# Altium PCB PCB5.PcbDoc (part 15 of 16)
Units mil, origin at the board's own origin, x right, y up, seen from the top; angles counter-clockwise.
Board outline 9210.27 x 4350.4 mil, 4 copper layers (Top Layer, Layer 1, Layer 2, Bottom Layer), stack 23.756 mil thick; 1550 components, 1731 nets, 5196 pads, 1890 vias.
Unrouted connection lines stored in the file: 2462.
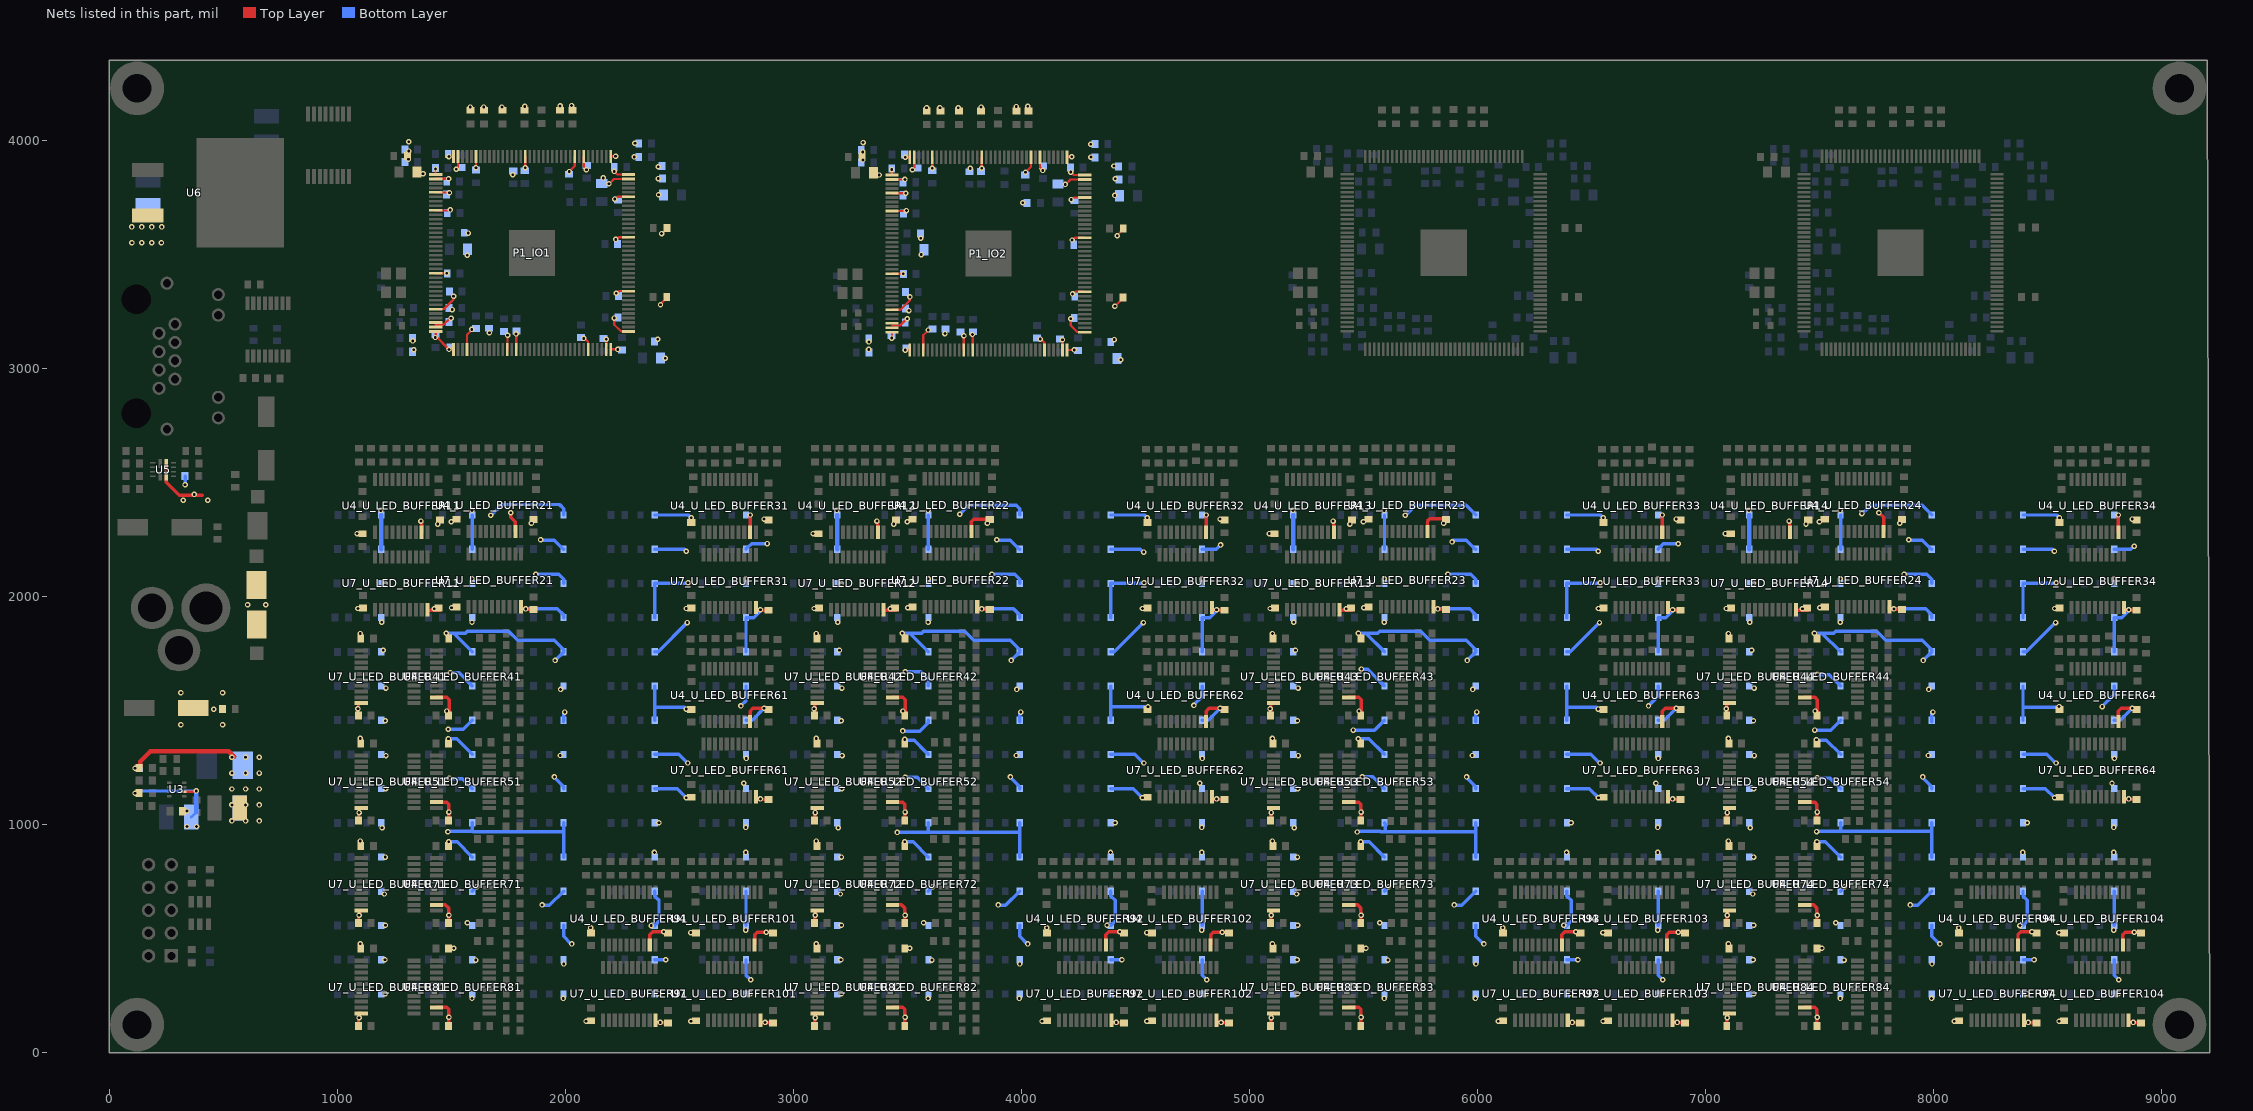
[diagram p17: the nets of this part, all layers, seen from the top]

## Via types
v1: diameter 24, hole 12, Top Layer to Bottom Layer, tented both sides, 1882 vias
v2: diameter 24, hole 12, Top Layer to Bottom Layer, 8 vias

## Nets (pads, with @x,y where several pads share a name; then routed paths per layer and width w, separated by ;. In a path a pad name is that pad's centre, name@x,y a point inside that pad or via, vN(x,y) a via of type N, cw(c..) or ccw(c..) an arc to the next point about the centre after c; other vN are vias at no path point) (continued)
VCC_5V: C25.1 C26.2 C27.2 C28_U_LED_BUFFER11.1 C28_U_LED_BUFFER12.1 C28_U_LED_BUFFER13.1 C28_U_LED_BUFFER14.1 C28_U_LED_BUFFER21.1 C28_U_LED_BUFFER22.1 C28_U_LED_BUFFER23.1 C28_U_LED_BUFFER24.1 C28_U_LED_BUFFER31.1 C28_U_LED_BUFFER32.1 C28_U_LED_BUFFER33.1 C28_U_LED_BUFFER34.1 C28_U_LED_BUFFER41.1 C28_U_LED_BUFFER42.1 C28_U_LED_BUFFER43.1 C28_U_LED_BUFFER44.1 C28_U_LED_BUFFER51.1 C28_U_LED_BUFFER52.1 C28_U_LED_BUFFER53.1 C28_U_LED_BUFFER54.1 C28_U_LED_BUFFER61.1 C28_U_LED_BUFFER62.1 C28_U_LED_BUFFER63.1 C28_U_LED_BUFFER64.1 C28_U_LED_BUFFER71.1 C28_U_LED_BUFFER72.1 C28_U_LED_BUFFER73.1 C28_U_LED_BUFFER74.1 C28_U_LED_BUFFER81.1 C28_U_LED_BUFFER82.1 C28_U_LED_BUFFER83.1 C28_U_LED_BUFFER84.1 C28_U_LED_BUFFER91.1 C28_U_LED_BUFFER92.1 C28_U_LED_BUFFER93.1 C28_U_LED_BUFFER94.1 C28_U_LED_BUFFER101.1 C28_U_LED_BUFFER102.1 C28_U_LED_BUFFER103.1 C28_U_LED_BUFFER104.1 C29.2 C32_U_LED_BUFFER11.1 C32_U_LED_BUFFER12.1 C32_U_LED_BUFFER13.1 C32_U_LED_BUFFER14.1 C32_U_LED_BUFFER21.1 C32_U_LED_BUFFER22.1 C32_U_LED_BUFFER23.1 C32_U_LED_BUFFER24.1 C32_U_LED_BUFFER31.1 C32_U_LED_BUFFER32.1 C32_U_LED_BUFFER33.1 C32_U_LED_BUFFER34.1 C32_U_LED_BUFFER41.1 C32_U_LED_BUFFER42.1 C32_U_LED_BUFFER43.1 C32_U_LED_BUFFER44.1 C32_U_LED_BUFFER51.1 C32_U_LED_BUFFER52.1 C32_U_LED_BUFFER53.1 C32_U_LED_BUFFER54.1 C32_U_LED_BUFFER61.1 C32_U_LED_BUFFER62.1 C32_U_LED_BUFFER63.1 C32_U_LED_BUFFER64.1 C32_U_LED_BUFFER71.1 C32_U_LED_BUFFER72.1 C32_U_LED_BUFFER73.1 C32_U_LED_BUFFER74.1 C32_U_LED_BUFFER81.1 C32_U_LED_BUFFER82.1 C32_U_LED_BUFFER83.1 C32_U_LED_BUFFER84.1 C32_U_LED_BUFFER91.1 C32_U_LED_BUFFER92.1 C32_U_LED_BUFFER93.1 C32_U_LED_BUFFER94.1 C32_U_LED_BUFFER101.1 C32_U_LED_BUFFER102.1 C32_U_LED_BUFFER103.1 C32_U_LED_BUFFER104.1 C34_U_LED_BUFFER11.1 C34_U_LED_BUFFER12.1 C34_U_LED_BUFFER13.1 C34_U_LED_BUFFER14.1 C34_U_LED_BUFFER21.1 C34_U_LED_BUFFER22.1 C34_U_LED_BUFFER23.1 C34_U_LED_BUFFER24.1 C34_U_LED_BUFFER31.1 C34_U_LED_BUFFER32.1 C34_U_LED_BUFFER33.1 C34_U_LED_BUFFER34.1 C34_U_LED_BUFFER41.1 C34_U_LED_BUFFER42.1 C34_U_LED_BUFFER43.1 C34_U_LED_BUFFER44.1 C34_U_LED_BUFFER51.1 C34_U_LED_BUFFER52.1 C34_U_LED_BUFFER53.1 C34_U_LED_BUFFER54.1 C34_U_LED_BUFFER61.1 C34_U_LED_BUFFER62.1 C34_U_LED_BUFFER63.1 C34_U_LED_BUFFER64.1 C34_U_LED_BUFFER71.1 C34_U_LED_BUFFER72.1 C34_U_LED_BUFFER73.1 C34_U_LED_BUFFER74.1 C34_U_LED_BUFFER81.1 C34_U_LED_BUFFER82.1 C34_U_LED_BUFFER83.1 C34_U_LED_BUFFER84.1 C34_U_LED_BUFFER91.1 C34_U_LED_BUFFER92.1 C34_U_LED_BUFFER93.1 C34_U_LED_BUFFER94.1 C34_U_LED_BUFFER101.1 C34_U_LED_BUFFER102.1 C34_U_LED_BUFFER103.1 C34_U_LED_BUFFER104.1 C35_U_LED_BUFFER11.1 C35_U_LED_BUFFER12.1 C35_U_LED_BUFFER13.1 C35_U_LED_BUFFER14.1 C35_U_LED_BUFFER21.1 C35_U_LED_BUFFER22.1 C35_U_LED_BUFFER23.1 C35_U_LED_BUFFER24.1 C35_U_LED_BUFFER31.1 C35_U_LED_BUFFER32.1 C35_U_LED_BUFFER33.1 C35_U_LED_BUFFER34.1 C35_U_LED_BUFFER41.1 C35_U_LED_BUFFER42.1 C35_U_LED_BUFFER43.1 C35_U_LED_BUFFER44.1 C35_U_LED_BUFFER51.1 C35_U_LED_BUFFER52.1 C35_U_LED_BUFFER53.1 C35_U_LED_BUFFER54.1 C35_U_LED_BUFFER61.1 C35_U_LED_BUFFER62.1 C35_U_LED_BUFFER63.1 C35_U_LED_BUFFER64.1 C35_U_LED_BUFFER71.1 C35_U_LED_BUFFER72.1 C35_U_LED_BUFFER73.1 C35_U_LED_BUFFER74.1 C35_U_LED_BUFFER81.1 C35_U_LED_BUFFER82.1 C35_U_LED_BUFFER83.1 C35_U_LED_BUFFER84.1 C35_U_LED_BUFFER91.1 C35_U_LED_BUFFER92.1 C35_U_LED_BUFFER93.1 C35_U_LED_BUFFER94.1 C35_U_LED_BUFFER101.1 C35_U_LED_BUFFER102.1 C35_U_LED_BUFFER103.1 C35_U_LED_BUFFER104.1 D7_U_LED_BUFFER11.1 D7_U_LED_BUFFER12.1 D7_U_LED_BUFFER13.1 D7_U_LED_BUFFER14.1 D7_U_LED_BUFFER21.1 D7_U_LED_BUFFER22.1 D7_U_LED_BUFFER23.1 D7_U_LED_BUFFER24.1 D7_U_LED_BUFFER31.1 D7_U_LED_BUFFER32.1 D7_U_LED_BUFFER33.1 D7_U_LED_BUFFER34.1 D7_U_LED_BUFFER41.1 D7_U_LED_BUFFER42.1 D7_U_LED_BUFFER43.1 D7_U_LED_BUFFER44.1 D7_U_LED_BUFFER51.1 D7_U_LED_BUFFER52.1 D7_U_LED_BUFFER53.1 D7_U_LED_BUFFER54.1 D7_U_LED_BUFFER61.1 D7_U_LED_BUFFER62.1 D7_U_LED_BUFFER63.1 D7_U_LED_BUFFER64.1 D7_U_LED_BUFFER71.1 D7_U_LED_BUFFER72.1 D7_U_LED_BUFFER73.1 D7_U_LED_BUFFER74.1 D7_U_LED_BUFFER81.1 D7_U_LED_BUFFER82.1 D7_U_LED_BUFFER83.1 D7_U_LED_BUFFER84.1 D7_U_LED_BUFFER91.1 D7_U_LED_BUFFER92.1 D7_U_LED_BUFFER93.1 D7_U_LED_BUFFER94.1 D7_U_LED_BUFFER101.1 D7_U_LED_BUFFER102.1 D7_U_LED_BUFFER103.1 D7_U_LED_BUFFER104.1 D8_U_LED_BUFFER11.1 D8_U_LED_BUFFER12.1 D8_U_LED_BUFFER13.1 D8_U_LED_BUFFER14.1 D8_U_LED_BUFFER21.1 D8_U_LED_BUFFER22.1 D8_U_LED_BUFFER23.1 D8_U_LED_BUFFER24.1 D8_U_LED_BUFFER31.1 D8_U_LED_BUFFER32.1 D8_U_LED_BUFFER33.1 D8_U_LED_BUFFER34.1 D8_U_LED_BUFFER41.1 D8_U_LED_BUFFER42.1 D8_U_LED_BUFFER43.1 D8_U_LED_BUFFER44.1 D8_U_LED_BUFFER51.1 D8_U_LED_BUFFER52.1 D8_U_LED_BUFFER53.1 D8_U_LED_BUFFER54.1 D8_U_LED_BUFFER61.1 D8_U_LED_BUFFER62.1 D8_U_LED_BUFFER63.1 D8_U_LED_BUFFER64.1 D8_U_LED_BUFFER71.1 D8_U_LED_BUFFER72.1 D8_U_LED_BUFFER73.1 D8_U_LED_BUFFER74.1 D8_U_LED_BUFFER81.1 D8_U_LED_BUFFER82.1 D8_U_LED_BUFFER83.1 D8_U_LED_BUFFER84.1 D8_U_LED_BUFFER91.1 D8_U_LED_BUFFER92.1 D8_U_LED_BUFFER93.1 D8_U_LED_BUFFER94.1 D8_U_LED_BUFFER101.1 D8_U_LED_BUFFER102.1 D8_U_LED_BUFFER103.1 D8_U_LED_BUFFER104.1 D9_U_LED_BUFFER11.1 D9_U_LED_BUFFER12.1 D9_U_LED_BUFFER13.1 D9_U_LED_BUFFER14.1 D9_U_LED_BUFFER21.1 D9_U_LED_BUFFER22.1 D9_U_LED_BUFFER23.1 D9_U_LED_BUFFER24.1 D9_U_LED_BUFFER31.1 D9_U_LED_BUFFER32.1 D9_U_LED_BUFFER33.1 D9_U_LED_BUFFER34.1 D9_U_LED_BUFFER41.1 D9_U_LED_BUFFER42.1 D9_U_LED_BUFFER43.1 D9_U_LED_BUFFER44.1 D9_U_LED_BUFFER51.1 D9_U_LED_BUFFER52.1 D9_U_LED_BUFFER53.1 D9_U_LED_BUFFER54.1 D9_U_LED_BUFFER61.1 D9_U_LED_BUFFER62.1 D9_U_LED_BUFFER63.1 D9_U_LED_BUFFER64.1 D9_U_LED_BUFFER71.1 D9_U_LED_BUFFER72.1 D9_U_LED_BUFFER73.1 D9_U_LED_BUFFER74.1 D9_U_LED_BUFFER81.1 D9_U_LED_BUFFER82.1 D9_U_LED_BUFFER83.1 D9_U_LED_BUFFER84.1 D9_U_LED_BUFFER91.1 D9_U_LED_BUFFER92.1 D9_U_LED_BUFFER93.1 D9_U_LED_BUFFER94.1 D9_U_LED_BUFFER101.1 D9_U_LED_BUFFER102.1 D9_U_LED_BUFFER103.1 D9_U_LED_BUFFER104.1 D10_U_LED_BUFFER11.1 D10_U_LED_BUFFER12.1 D10_U_LED_BUFFER13.1 D10_U_LED_BUFFER14.1 D10_U_LED_BUFFER21.1 D10_U_LED_BUFFER22.1 D10_U_LED_BUFFER23.1 D10_U_LED_BUFFER24.1 D10_U_LED_BUFFER31.1 D10_U_LED_BUFFER32.1 D10_U_LED_BUFFER33.1 D10_U_LED_BUFFER34.1 D10_U_LED_BUFFER41.1 D10_U_LED_BUFFER42.1 D10_U_LED_BUFFER43.1 D10_U_LED_BUFFER44.1 D10_U_LED_BUFFER51.1 D10_U_LED_BUFFER52.1 D10_U_LED_BUFFER53.1 D10_U_LED_BUFFER54.1 D10_U_LED_BUFFER61.1 D10_U_LED_BUFFER62.1 D10_U_LED_BUFFER63.1 D10_U_LED_BUFFER64.1 D10_U_LED_BUFFER71.1 D10_U_LED_BUFFER72.1 D10_U_LED_BUFFER73.1 D10_U_LED_BUFFER74.1 D10_U_LED_BUFFER81.1 D10_U_LED_BUFFER82.1 D10_U_LED_BUFFER83.1 D10_U_LED_BUFFER84.1 D10_U_LED_BUFFER91.1 D10_U_LED_BUFFER92.1 D10_U_LED_BUFFER93.1 D10_U_LED_BUFFER94.1 D11_U_LED_BUFFER11.1 D11_U_LED_BUFFER12.1 D11_U_LED_BUFFER13.1 D11_U_LED_BUFFER14.1 D11_U_LED_BUFFER21.1 D11_U_LED_BUFFER22.1 D11_U_LED_BUFFER23.1 D11_U_LED_BUFFER24.1 D11_U_LED_BUFFER31.1 D11_U_LED_BUFFER32.1 D11_U_LED_BUFFER33.1 D11_U_LED_BUFFER34.1 D11_U_LED_BUFFER41.1 D11_U_LED_BUFFER42.1 D11_U_LED_BUFFER43.1 D11_U_LED_BUFFER44.1 D11_U_LED_BUFFER51.1 D11_U_LED_BUFFER52.1 D11_U_LED_BUFFER53.1 D11_U_LED_BUFFER54.1 D11_U_LED_BUFFER61.1 D11_U_LED_BUFFER62.1 D11_U_LED_BUFFER63.1 D11_U_LED_BUFFER64.1 D11_U_LED_BUFFER71.1 D11_U_LED_BUFFER72.1 D11_U_LED_BUFFER73.1 D11_U_LED_BUFFER74.1 D11_U_LED_BUFFER81.1 D11_U_LED_BUFFER82.1 D11_U_LED_BUFFER83.1 D11_U_LED_BUFFER84.1 D11_U_LED_BUFFER91.1 D11_U_LED_BUFFER92.1 D11_U_LED_BUFFER93.1 D11_U_LED_BUFFER94.1 D12_U_LED_BUFFER11.1 D12_U_LED_BUFFER12.1 D12_U_LED_BUFFER13.1 D12_U_LED_BUFFER14.1 D12_U_LED_BUFFER21.1 D12_U_LED_BUFFER22.1 D12_U_LED_BUFFER23.1 D12_U_LED_BUFFER24.1 D12_U_LED_BUFFER31.1 D12_U_LED_BUFFER32.1 D12_U_LED_BUFFER33.1 D12_U_LED_BUFFER34.1 D12_U_LED_BUFFER41.1 D12_U_LED_BUFFER42.1 D12_U_LED_BUFFER43.1 D12_U_LED_BUFFER44.1 D12_U_LED_BUFFER51.1 D12_U_LED_BUFFER52.1 D12_U_LED_BUFFER53.1 D12_U_LED_BUFFER54.1 D12_U_LED_BUFFER61.1 D12_U_LED_BUFFER62.1 D12_U_LED_BUFFER63.1 D12_U_LED_BUFFER64.1 D12_U_LED_BUFFER71.1 D12_U_LED_BUFFER72.1 D12_U_LED_BUFFER73.1 D12_U_LED_BUFFER74.1 D12_U_LED_BUFFER81.1 D12_U_LED_BUFFER82.1 D12_U_LED_BUFFER83.1 D12_U_LED_BUFFER84.1 D12_U_LED_BUFFER91.1 D12_U_LED_BUFFER92.1 D12_U_LED_BUFFER93.1 D12_U_LED_BUFFER94.1 D13_U_LED_BUFFER11.1 D13_U_LED_BUFFER12.1 D13_U_LED_BUFFER13.1 D13_U_LED_BUFFER14.1 D13_U_LED_BUFFER21.1 D13_U_LED_BUFFER22.1 D13_U_LED_BUFFER23.1 D13_U_LED_BUFFER24.1 D13_U_LED_BUFFER31.1 D13_U_LED_BUFFER32.1 D13_U_LED_BUFFER33.1 D13_U_LED_BUFFER34.1 D13_U_LED_BUFFER41.1 D13_U_LED_BUFFER42.1 D13_U_LED_BUFFER43.1 D13_U_LED_BUFFER44.1 D13_U_LED_BUFFER51.1 D13_U_LED_BUFFER52.1 D13_U_LED_BUFFER53.1 D13_U_LED_BUFFER54.1 D13_U_LED_BUFFER61.1 D13_U_LED_BUFFER62.1 D13_U_LED_BUFFER63.1 D13_U_LED_BUFFER64.1 D13_U_LED_BUFFER71.1 D13_U_LED_BUFFER72.1 D13_U_LED_BUFFER73.1 D13_U_LED_BUFFER74.1 D13_U_LED_BUFFER81.1 D13_U_LED_BUFFER82.1 D13_U_LED_BUFFER83.1 D13_U_LED_BUFFER84.1 D13_U_LED_BUFFER91.1 D13_U_LED_BUFFER92.1 D13_U_LED_BUFFER93.1 D13_U_LED_BUFFER94.1 D14_U_LED_BUFFER11.1 D14_U_LED_BUFFER12.1 D14_U_LED_BUFFER13.1 D14_U_LED_BUFFER14.1 D14_U_LED_BUFFER21.1 D14_U_LED_BUFFER22.1 D14_U_LED_BUFFER23.1 D14_U_LED_BUFFER24.1 D14_U_LED_BUFFER31.1 D14_U_LED_BUFFER32.1 D14_U_LED_BUFFER33.1 D14_U_LED_BUFFER34.1 D14_U_LED_BUFFER41.1 D14_U_LED_BUFFER42.1 D14_U_LED_BUFFER43.1 D14_U_LED_BUFFER44.1 D14_U_LED_BUFFER51.1 D14_U_LED_BUFFER52.1 D14_U_LED_BUFFER53.1 D14_U_LED_BUFFER54.1 D14_U_LED_BUFFER61.1 D14_U_LED_BUFFER62.1 D14_U_LED_BUFFER63.1 D14_U_LED_BUFFER64.1 D14_U_LED_BUFFER71.1 D14_U_LED_BUFFER72.1 D14_U_LED_BUFFER73.1 D14_U_LED_BUFFER74.1 D14_U_LED_BUFFER81.1 D14_U_LED_BUFFER82.1 D14_U_LED_BUFFER83.1 D14_U_LED_BUFFER84.1 D14_U_LED_BUFFER91.1 D14_U_LED_BUFFER92.1 D14_U_LED_BUFFER93.1 D14_U_LED_BUFFER94.1 L4.2 R18.2 U4_U_LED_BUFFER11.19 U4_U_LED_BUFFER12.19 U4_U_LED_BUFFER13.19 U4_U_LED_BUFFER14.19 U4_U_LED_BUFFER21.19 U4_U_LED_BUFFER22.19 U4_U_LED_BUFFER23.19 U4_U_LED_BUFFER24.19 U4_U_LED_BUFFER31.19 U4_U_LED_BUFFER32.19 U4_U_LED_BUFFER33.19 U4_U_LED_BUFFER34.19 U4_U_LED_BUFFER41.19 U4_U_LED_BUFFER42.19 U4_U_LED_BUFFER43.19 U4_U_LED_BUFFER44.19 U4_U_LED_BUFFER51.19 U4_U_LED_BUFFER52.19 U4_U_LED_BUFFER53.19 U4_U_LED_BUFFER54.19 U4_U_LED_BUFFER61.19 U4_U_LED_BUFFER62.19 U4_U_LED_BUFFER63.19 U4_U_LED_BUFFER64.19 U4_U_LED_BUFFER71.19 U4_U_LED_BUFFER72.19 U4_U_LED_BUFFER73.19 U4_U_LED_BUFFER74.19 U4_U_LED_BUFFER81.19 U4_U_LED_BUFFER82.19 U4_U_LED_BUFFER83.19 U4_U_LED_BUFFER84.19 U4_U_LED_BUFFER91.19 U4_U_LED_BUFFER92.19 U4_U_LED_BUFFER93.19 U4_U_LED_BUFFER94.19 U4_U_LED_BUFFER101.19 U4_U_LED_BUFFER102.19 U4_U_LED_BUFFER103.19 U4_U_LED_BUFFER104.19 U6.3 U7_U_LED_BUFFER11.20 U7_U_LED_BUFFER12.20 U7_U_LED_BUFFER13.20 U7_U_LED_BUFFER14.20 U7_U_LED_BUFFER21.20 U7_U_LED_BUFFER22.20 U7_U_LED_BUFFER23.20 U7_U_LED_BUFFER24.20 U7_U_LED_BUFFER31.20 U7_U_LED_BUFFER32.20 U7_U_LED_BUFFER33.20 U7_U_LED_BUFFER34.20 U7_U_LED_BUFFER41.20 U7_U_LED_BUFFER42.20 U7_U_LED_BUFFER43.20 U7_U_LED_BUFFER44.20 U7_U_LED_BUFFER51.20 U7_U_LED_BUFFER52.20 U7_U_LED_BUFFER53.20 U7_U_LED_BUFFER54.20 U7_U_LED_BUFFER61.20 U7_U_LED_BUFFER62.20 U7_U_LED_BUFFER63.20 U7_U_LED_BUFFER64.20 U7_U_LED_BUFFER71.20 U7_U_LED_BUFFER72.20 U7_U_LED_BUFFER73.20 U7_U_LED_BUFFER74.20 U7_U_LED_BUFFER81.20 U7_U_LED_BUFFER82.20 U7_U_LED_BUFFER83.20 U7_U_LED_BUFFER84.20 U7_U_LED_BUFFER91.20 U7_U_LED_BUFFER92.20 U7_U_LED_BUFFER93.20 U7_U_LED_BUFFER94.20 U7_U_LED_BUFFER101.20 U7_U_LED_BUFFER102.20 U7_U_LED_BUFFER103.20 U7_U_LED_BUFFER104.20 | length 31677
  Top Layer w15: C28_U_LED_BUFFER81.1@1093.07,117.16 1093.07,172.01 U7_U_LED_BUFFER81.20@1104.96,172.01 ; C28_U_LED_BUFFER71.1@1093.07,567.16 1093.07,622.01 U7_U_LED_BUFFER71.20@1104.96,622.01 ; C28_U_LED_BUFFER51.1@1093.07,1017.16 1093.07,1072.01 U7_U_LED_BUFFER51.20@1104.96,1072.01 ; C28_U_LED_BUFFER41.1@1093.07,1477.16 1093.07,1532.01 U7_U_LED_BUFFER41.20@1104.96,1532.01 ; U4_U_LED_BUFFER11.19@1370.2,2281.5 1370.2,2326.73 v1@1370.63,2327.16 ; U7_U_LED_BUFFER11.20@1395.79,1951.5 1395.79,1939.61 C28_U_LED_BUFFER11.1@1450.63,1939.61 ; U4_U_LED_BUFFER81.19@1434.96,197.6 1479.4,197.6 1488.19,188.81 C34_U_LED_BUFFER81.1@1488.19,117.16 ; U4_U_LED_BUFFER71.19@1434.96,647.6 1474.2,647.6 1488.19,633.61 C34_U_LED_BUFFER71.1@1488.19,567.16 ; U4_U_LED_BUFFER51.19@1434.96,1097.6 1480.2,1097.6 1488.19,1089.61 C34_U_LED_BUFFER51.1@1488.19,1017.16 ; U4_U_LED_BUFFER41.19@1434.96,1557.6 1480.2,1557.6 1490.63,1547.16 1490.63,1479.61 C34_U_LED_BUFFER41.1@1488.19,1477.16 ; v1(1760.63,2367.16) 1761.01,2366.78 1761.01,2346.4 1779.44,2327.98 1779.44,2286.19 U4_U_LED_BUFFER21.19@1780.79,2284.83 ; U7_U_LED_BUFFER21.20@1806.39,1954.83 1806.39,1942.94 C28_U_LED_BUFFER21.1@1861.23,1942.94 ; U4_U_LED_BUFFER91.19@2370.2,471.5 2370.2,516.73 2382.89,529.43 v1(2431.3,529.43) ; U7_U_LED_BUFFER91.20@2395.79,141.5 2395.79,129.61 C28_U_LED_BUFFER91.1@2450.63,129.61 ; U4_U_LED_BUFFER61.19@2810.2,1451.5 2810.2,1496.5 2822.63,1508.93 2870.8,1508.93 v1(2871.3,1509.43) ; U4_U_LED_BUFFER31.19@2810.2,2281.5 2810.2,2356.73 v1(2810.63,2357.16) ; U4_U_LED_BUFFER101.19@2830.2,471.5 2830.2,516.73 2840.63,527.16 2908.19,527.16 C34_U_LED_BUFFER101.1@2910.63,524.72 ; U7_U_LED_BUFFER61.20@2835.79,1121.5 2835.79,1109.61 C28_U_LED_BUFFER61.1@2890.63,1109.61 ; U7_U_LED_BUFFER31.20@2835.79,1951.5 2835.79,1939.61 C28_U_LED_BUFFER31.1@2890.63,1939.61 ; U7_U_LED_BUFFER101.20@2855.79,141.5 2855.79,129.61 C28_U_LED_BUFFER101.1@2910.63,129.61 ; v1@2871.3,1504.72 C34_U_LED_BUFFER61.1@2890.63,1504.72 ; C28_U_LED_BUFFER82.1@3093.07,117.16 3093.07,172.01 U7_U_LED_BUFFER82.20@3104.96,172.01 ; C28_U_LED_BUFFER72.1@3093.07,567.16 3093.07,622.01 U7_U_LED_BUFFER72.20@3104.96,622.01 ; C28_U_LED_BUFFER52.1@3093.07,1017.16 3093.07,1072.01 U7_U_LED_BUFFER52.20@3104.96,1072.01 ; C28_U_LED_BUFFER42.1@3093.07,1477.16 3093.07,1532.01 U7_U_LED_BUFFER42.20@3104.96,1532.01 ; U4_U_LED_BUFFER12.19@3370.2,2281.5 3370.2,2326.73 v1@3370.63,2327.16 ; U7_U_LED_BUFFER12.20@3395.79,1951.5 3395.79,1939.61 C28_U_LED_BUFFER12.1@3450.63,1939.61 ; U4_U_LED_BUFFER82.19@3434.96,197.6 3479.4,197.6 3488.19,188.81 C34_U_LED_BUFFER82.1@3488.19,117.16 ; U4_U_LED_BUFFER72.19@3434.96,647.6 3474.2,647.6 3488.19,633.61 C34_U_LED_BUFFER72.1@3488.19,567.16 ; U4_U_LED_BUFFER52.19@3434.96,1097.6 3480.2,1097.6 3488.19,1089.61 C34_U_LED_BUFFER52.1@3488.19,1017.16 ; U4_U_LED_BUFFER42.19@3434.96,1557.6 3480.2,1557.6 3490.63,1547.16 3490.63,1479.61 C34_U_LED_BUFFER42.1@3488.19,1477.16 ; U4_U_LED_BUFFER22.19@3780.79,2284.83 3780.79,2327.33 3791.53,2338.06 C34_U_LED_BUFFER22.1@3861.23,2338.06 ; U7_U_LED_BUFFER22.20@3806.39,1954.83 3806.39,1946.74 3807.74,1945.38 3807.74,1942.94 C28_U_LED_BUFFER22.1@3861.23,1942.94 ; U4_U_LED_BUFFER92.19@4370.2,471.5 4370.2,516.73 4382.89,529.43 v1(4431.3,529.43) ; U7_U_LED_BUFFER92.20@4395.79,141.5 4395.79,129.61 C28_U_LED_BUFFER92.1@4450.63,129.61 ; U4_U_LED_BUFFER62.19@4810.2,1451.5 4810.2,1496.5 4822.63,1508.93 4870.8,1508.93 v1(4871.3,1509.43) ; U4_U_LED_BUFFER32.19@4810.2,2281.5 4810.2,2356.73 v1(4810.63,2357.16) ; U4_U_LED_BUFFER102.19@4830.2,471.5 4830.2,516.73 4840.63,527.16 4908.19,527.16 C34_U_LED_BUFFER102.1@4910.63,524.72 ; U7_U_LED_BUFFER62.20@4835.79,1121.5 4835.79,1109.61 C28_U_LED_BUFFER62.1@4890.63,1109.61 ; U7_U_LED_BUFFER32.20@4835.79,1951.5 4835.79,1939.61 C28_U_LED_BUFFER32.1@4890.63,1939.61 ; U7_U_LED_BUFFER102.20@4855.79,141.5 4855.79,129.61 C28_U_LED_BUFFER102.1@4910.63,129.61 ; v1@4871.3,1504.72 C34_U_LED_BUFFER62.1@4890.63,1504.72 ; C28_U_LED_BUFFER83.1@5093.07,117.16 5093.07,172.01 U7_U_LED_BUFFER83.20@5104.96,172.01 ; C28_U_LED_BUFFER73.1@5093.07,567.16 5093.07,622.01 U7_U_LED_BUFFER73.20@5104.96,622.01 ; C28_U_LED_BUFFER53.1@5093.07,1017.16 5093.07,1072.01 U7_U_LED_BUFFER53.20@5104.96,1072.01 ; C28_U_LED_BUFFER43.1@5093.07,1477.16 5093.07,1532.01 U7_U_LED_BUFFER43.20@5104.96,1532.01 ; U4_U_LED_BUFFER13.19@5370.2,2281.5 5370.2,2326.73 v1@5370.63,2327.16 ; U7_U_LED_BUFFER13.20@5395.79,1951.5 5395.79,1939.61 C28_U_LED_BUFFER13.1@5450.63,1939.61 ; U4_U_LED_BUFFER83.19@5434.96,197.6 5479.4,197.6 5488.19,188.81 C34_U_LED_BUFFER83.1@5488.19,117.16 ; U4_U_LED_BUFFER73.19@5434.96,647.6 5474.2,647.6 5488.19,633.61 C34_U_LED_BUFFER73.1@5488.19,567.16 ; U4_U_LED_BUFFER53.19@5434.96,1097.6 5480.2,1097.6 5488.19,1089.61 C34_U_LED_BUFFER53.1@5488.19,1017.16 ; U4_U_LED_BUFFER43.19@5434.96,1557.6 5480.2,1557.6 5490.63,1547.16 5490.63,1479.61 C34_U_LED_BUFFER43.1@5488.19,1477.16 ; U4_U_LED_BUFFER23.19@5780.79,2284.83 5780.79,2330.79 5790,2340 5859.29,2340 C34_U_LED_BUFFER23.1@5861.23,2338.06 ; U7_U_LED_BUFFER23.20@5806.39,1954.83 5806.39,1946.74 5807.74,1945.38 v1(5826.32,1945.38) 5827.54,1944.16 5860.01,1944.16 C28_U_LED_BUFFER23.1@5861.23,1942.94 ; U4_U_LED_BUFFER93.19@6370.2,471.5 6370.2,516.73 6382.89,529.43 v1(6431.3,529.43) ; U7_U_LED_BUFFER93.20@6395.79,141.5 6395.79,129.61 C28_U_LED_BUFFER93.1@6450.63,129.61 ; U4_U_LED_BUFFER63.19@6810.2,1451.5 6810.2,1496.5 6822.63,1508.93 6870.8,1508.93 v1(6871.3,1509.43) ; U4_U_LED_BUFFER33.19@6810.2,2281.5 6810.2,2356.73 v1(6810.63,2357.16) ; U4_U_LED_BUFFER103.19@6830.2,471.5 6830.2,516.73 6840.63,527.16 6908.19,527.16 C34_U_LED_BUFFER103.1@6910.63,524.72 ; U7_U_LED_BUFFER63.20@6835.79,1121.5 6835.79,1109.61 C28_U_LED_BUFFER63.1@6890.63,1109.61 ; U7_U_LED_BUFFER33.20@6835.79,1951.5 6835.79,1939.61 C28_U_LED_BUFFER33.1@6890.63,1939.61 ; U7_U_LED_BUFFER103.20@6855.79,141.5 6855.79,129.61 C28_U_LED_BUFFER103.1@6910.63,129.61 ; v1@6871.3,1504.72 C34_U_LED_BUFFER63.1@6890.63,1504.72 ; C28_U_LED_BUFFER84.1@7093.07,117.16 7093.07,172.01 U7_U_LED_BUFFER84.20@7104.96,172.01 ; C28_U_LED_BUFFER74.1@7093.07,567.16 7093.07,622.01 U7_U_LED_BUFFER74.20@7104.96,622.01 ; C28_U_LED_BUFFER54.1@7093.07,1017.16 7093.07,1072.01 U7_U_LED_BUFFER54.20@7104.96,1072.01 ; C28_U_LED_BUFFER44.1@7093.07,1477.16 7093.07,1532.01 U7_U_LED_BUFFER44.20@7104.96,1532.01 ; U4_U_LED_BUFFER14.19@7370.2,2281.5 7370.2,2326.73 v1@7370.63,2327.16 ; U7_U_LED_BUFFER14.20@7395.79,1951.5 7395.79,1939.61 C28_U_LED_BUFFER14.1@7450.63,1939.61 ; U4_U_LED_BUFFER84.19@7434.96,197.6 7479.4,197.6 7488.19,188.81 C34_U_LED_BUFFER84.1@7488.19,117.16 ; U4_U_LED_BUFFER74.19@7434.96,647.6 7474.2,647.6 7488.19,633.61 C34_U_LED_BUFFER74.1@7488.19,567.16 ; U4_U_LED_BUFFER54.19@7434.96,1097.6 7480.2,1097.6 7488.19,1089.61 C34_U_LED_BUFFER54.1@7488.19,1017.16 ; U4_U_LED_BUFFER44.19@7434.96,1557.6 7480.2,1557.6 7490.63,1547.16 7490.63,1479.61 C34_U_LED_BUFFER44.1@7488.19,1477.16 ; v1(7760.63,2367.16) 7780.79,2347 U4_U_LED_BUFFER24.19@7780.79,2284.83 ; U7_U_LED_BUFFER24.20@7806.39,1954.83 7806.39,1944.3 7807.74,1942.94 C28_U_LED_BUFFER24.1@7861.23,1942.94 ; U4_U_LED_BUFFER94.19@8370.2,471.5 8370.2,516.73 8382.89,529.43 v1(8431.3,529.43) ; U7_U_LED_BUFFER94.20@8395.79,141.5 8395.79,129.61 C28_U_LED_BUFFER94.1@8450.63,129.61 ; U4_U_LED_BUFFER64.19@8810.2,1451.5 8810.2,1496.5 8822.63,1508.93 8870.8,1508.93 v1(8871.3,1509.43) ; U4_U_LED_BUFFER34.19@8810.2,2281.5 8810.2,2356.73 v1(8810.63,2357.16) ; U4_U_LED_BUFFER104.19@8830.2,471.5 8830.2,516.73 8840.63,527.16 8908.19,527.16 C34_U_LED_BUFFER104.1@8910.63,524.72 ; U7_U_LED_BUFFER64.20@8835.79,1121.5 8835.79,1109.61 C28_U_LED_BUFFER64.1@8890.63,1109.61 ; U7_U_LED_BUFFER34.20@8835.79,1951.5 8835.79,1939.61 C28_U_LED_BUFFER34.1@8890.63,1939.61 ; U7_U_LED_BUFFER104.20@8855.79,141.5 8855.79,129.61 C28_U_LED_BUFFER104.1@8910.63,129.61 ; v1@8871.3,1504.72 C34_U_LED_BUFFER64.1@8890.63,1504.72
  Top Layer w20: R18.2@130.32,1248.03 135.32,1253.03 135.32,1276.09 180.59,1321.36 523.32,1321.36 v1@547.67,1297.02